# Altium PCB FerroAudioAmp.PcbDoc
Units mm, origin at the board's own origin, x right, y up, seen from the top; angles counter-clockwise.
Board outline 95 x 71 mm, 2 copper layers (Top Layer, Bottom Layer); 92 components, 73 nets, 261 pads, 249 vias.
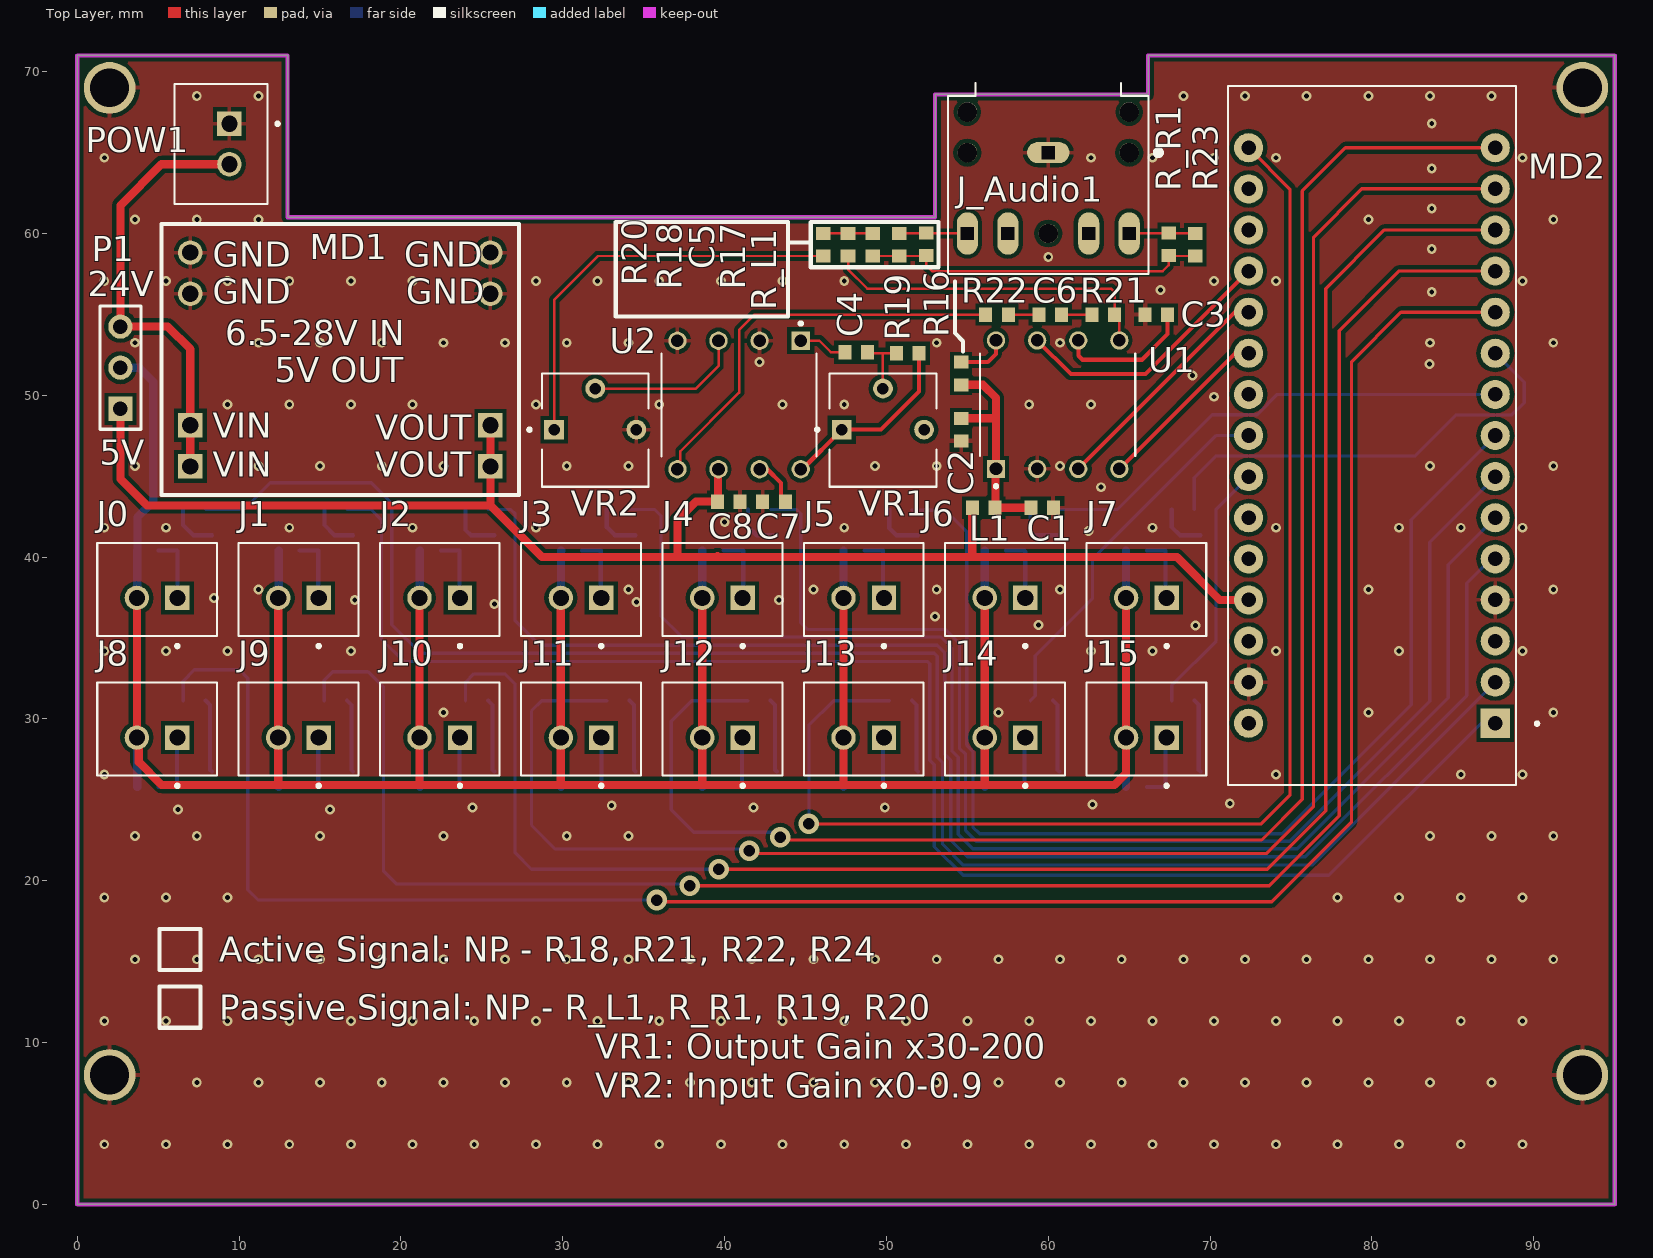
[diagram p0: Top Layer view]
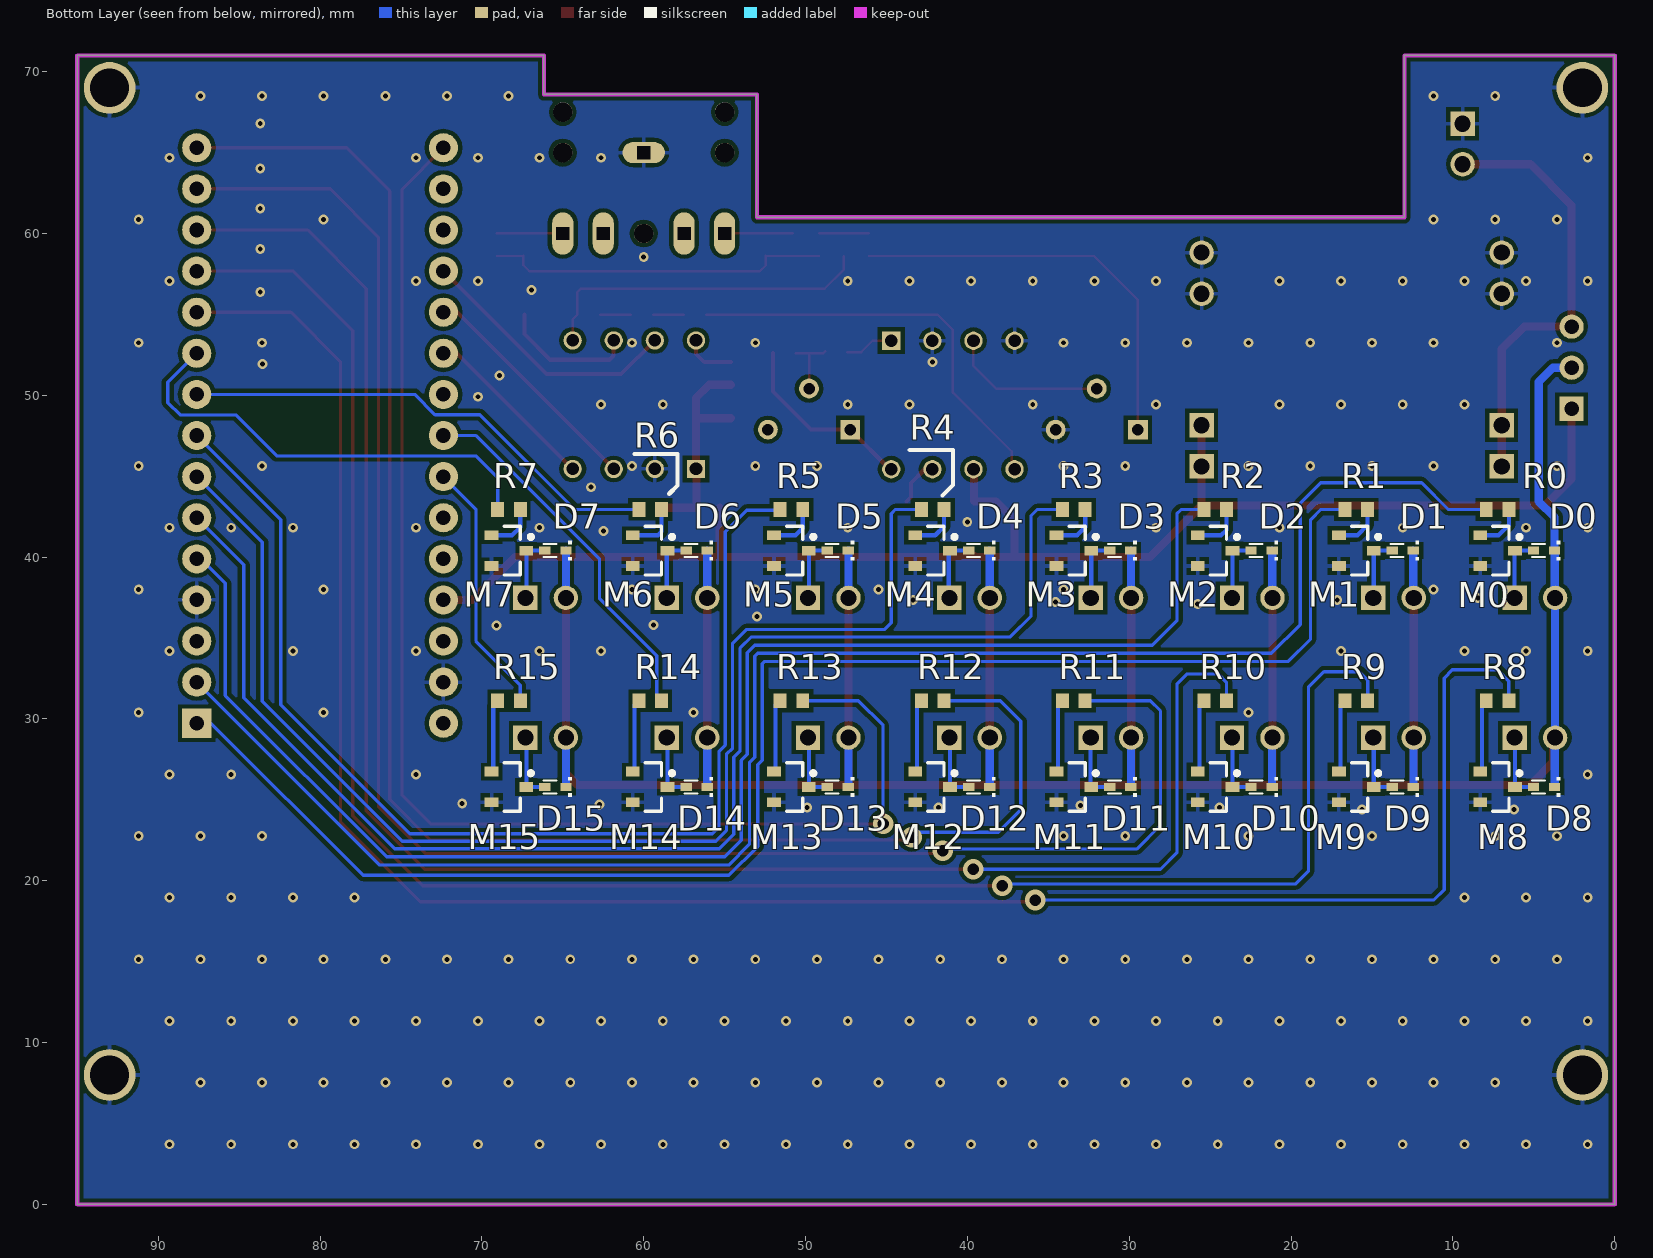
[diagram p1: Bottom Layer view, seen from below]

## Layer stack, top to bottom
Top Solder: solder mask 0.0102, Solder Resist, Dk 3.5
Top Layer: signal copper 0.0356
Dielectric 1: dielectric 0.32, FR-4, Dk 4.8
Bottom Layer: signal copper 0.0356
Bottom Solder: solder mask 0.0102, Solder Resist, Dk 3.5

## Board outline
0,0 0,71 13,71 13,61 53,61 53,68.598 66.167,68.598 66.167,71 95,71 95,0

## Design rules (kind name [scope] priority, off if disabled: settings)
Clearance [All] p1: gap=0.254 ignorepadtopadclearanceinfootprint=TRUE except(0: Arc-Hole Track-Hole SMDPad-Hole THPad-Hole Via-Hole Fill-Hole Poly-Hole Region-Hole Text-Hole)
MinimumSolderMaskSliver [All] p1: minsoldermaskwidth=0.152
PolygonConnect PolygonConnect_1 [IsVia] p1: connectstyle=Direct reliefconductorwidth=0.254 reliefentries=4 polygonreliefangle="90 Angle" airgapwidth=0.254
PolygonConnect [All] p2: connectstyle=Relief reliefconductorwidth=0.254 reliefentries=4 polygonreliefangle="90 Angle" airgapwidth=0.254
RoutingVias [All] p1: holewidth=0.711 width=1.27 viastyle="Through Hole" minholewidth=0.711 minwidth=1.27 maxholewidth=0.711 maxwidth=1.27
SilkToSilkClearance [All] p1: silktosilkclearance=0.013
SilkToSolderMaskClearance [IsPad] p1: minsilkscreentomaskgap=0.025 clearancetoexposedcopper=TRUE
SolderMaskExpansion [All] p1: expansion=0.102
Width [All] p1: maxlimit=0.508 minlimit=0.152 preferedwidth=0.254
27 further rules are at their usual default settings.

## Classes and differential pairs
component class AnalogSignal: C1 C2 C3 C4 C5 C6 C7 C8 J_Audio1 L1 R16 R17 R19 R21 R22 R23 R_L1 R_R1 U1 U2 VR1 VR2
component class FerroAudioAmp: D0 D1 D2 D4 D6 D7 D9 D10 D13 D14 J0 J2 J3 J5 J6 J8 J10 J11 J13 J14 M0 M1 M2 M4 M6 M7 M9 M10 M12 M14 M15 MD1 MD2 P1 POW1 R0 R1 R3 R4 R6 R8 R9 R11 R12 R14

## Components (designator, comment, footprint, x,y, rotation, side; value= is the part's Value field where it differs from the comment)
C1 "100nF" 0603 59.618,43.053 r0 top
C2 "33pF" 0603 54.61,47.879 r270 top
C3 "100nF" 0603 66.675,54.991 r0 top
C4 "10uF" 0603 48.133,52.661 r0 top
C5 "10nF" 0603 49.149,59.309 r90 top
C6 "10nF" 0603 60.112,54.991 r0 top
C7 "10uF" 0603 43.053,43.434 r0 top
C8 "100nF" 0603 40.259,43.434 r180 top
D0 "RB521S30T1G" SOD523 4.318,40.404 r0 bottom
D1 "RB521S30T1G" SOD523 13.045,40.404 r0 bottom
D2 "RB521S30T1G" SOD523 21.771,40.404 r0 bottom
D3 "RB521S30T1G" SOD523 30.498,40.404 r0 bottom
D4 "RB521S30T1G" SOD523 39.225,40.404 r0 bottom
D5 "RB521S30T1G" SOD523 47.952,40.404 r0 bottom
D6 "RB521S30T1G" SOD523 56.678,40.404 r0 bottom
D7 "RB521S30T1G" SOD523 65.405,40.404 r0 bottom
D8 "RB521S30T1G" SOD523 4.318,25.799 r0 bottom
D9 "RB521S30T1G" SOD523 13.045,25.799 r0 bottom
D10 "RB521S30T1G" SOD523 21.771,25.799 r0 bottom
D11 "RB521S30T1G" SOD523 30.498,25.799 r0 bottom
D12 "RB521S30T1G" SOD523 39.225,25.799 r0 bottom
D13 "RB521S30T1G" SOD523 47.952,25.799 r0 bottom
D14 "RB521S30T1G" SOD523 56.678,25.799 r0 bottom
D15 "RB521S30T1G" SOD523 65.405,25.799 r0 bottom
J0 "B2B-XH-A(LF)(SN)" JST_B2B-XH-A(LF)(SN) 4.933,37.483 r0 top
J1 "B2B-XH-A(LF)(SN)" JST_B2B-XH-A(LF)(SN) 13.665,37.483 r0 top
J2 "B2B-XH-A(LF)(SN)" JST_B2B-XH-A(LF)(SN) 22.398,37.483 r0 top
J3 "B2B-XH-A(LF)(SN)" JST_B2B-XH-A(LF)(SN) 31.13,37.483 r0 top
J4 "B2B-XH-A(LF)(SN)" JST_B2B-XH-A(LF)(SN) 39.863,37.483 r0 top
J5 "B2B-XH-A(LF)(SN)" JST_B2B-XH-A(LF)(SN) 48.595,37.483 r0 top
J6 "B2B-XH-A(LF)(SN)" JST_B2B-XH-A(LF)(SN) 57.328,37.483 r0 top
J7 "B2B-XH-A(LF)(SN)" JST_B2B-XH-A(LF)(SN) 66.06,37.483 r0 top
J8 "B2B-XH-A(LF)(SN)" JST_B2B-XH-A(LF)(SN) 4.933,28.847 r0 top
J9 "B2B-XH-A(LF)(SN)" JST_B2B-XH-A(LF)(SN) 13.665,28.847 r0 top
J10 "B2B-XH-A(LF)(SN)" JST_B2B-XH-A(LF)(SN) 22.398,28.847 r0 top
J11 "B2B-XH-A(LF)(SN)" JST_B2B-XH-A(LF)(SN) 31.13,28.847 r0 top
J12 "B2B-XH-A(LF)(SN)" JST_B2B-XH-A(LF)(SN) 39.863,28.847 r0 top
J13 "B2B-XH-A(LF)(SN)" JST_B2B-XH-A(LF)(SN) 48.595,28.847 r0 top
J14 "B2B-XH-A(LF)(SN)" JST_B2B-XH-A(LF)(SN) 57.328,28.847 r0 top
J15 "B2B-XH-A(LF)(SN)" JST_B2B-XH-A(LF)(SN) 66.06,28.847 r0 top
J_Audio1 "SJ1-3525N" CUI_SJ1-3525N 60,65 r270 top locked
L1 "=value" 0603 56.007,43.053 r0 top
M0 "DMN2056U-7" SOT23_L 7.239,40.404 r180 bottom
M1 "DMN2056U-7" SOT23_L 15.966,40.404 r180 bottom
M2 "DMN2056U-7" SOT23_L 24.692,40.404 r180 bottom
M3 "DMN2056U-7" SOT23_L 33.419,40.404 r180 bottom
M4 "DMN2056U-7" SOT23_L 42.146,40.404 r180 bottom
M5 "DMN2056U-7" SOT23_L 50.873,40.404 r180 bottom
M6 "DMN2056U-7" SOT23_L 59.599,40.404 r180 bottom
M7 "DMN2056U-7" SOT23_L 68.326,40.404 r180 bottom
M8 "DMN2056U-7" SOT23_L 7.239,25.799 r180 bottom
M9 "DMN2056U-7" SOT23_L 15.966,25.799 r180 bottom
M10 "DMN2056U-7" SOT23_L 24.692,25.799 r180 bottom
M11 "DMN2056U-7" SOT23_L 33.419,25.799 r180 bottom
M12 "DMN2056U-7" SOT23_L 42.146,25.799 r180 bottom
M13 "DMN2056U-7" SOT23_L 50.873,25.799 r180 bottom
M14 "DMN2056U-7" SOT23_L 59.599,25.799 r180 bottom
M15 "DMN2056U-7" SOT23_L 68.326,25.799 r180 bottom
MD1 "MP1584EN_5V" MP1584EN_5V 16.256,52.215 r0 top
MD2 "ARDUINO_NANO" SHIELD_ARDUINO_NANO 80,47.516 r180 top locked
P1 "JUMPER 3" HDR1X3 2.667,49.167 r90 top
POW1 "B2B-XH-A(LF)(SN)" JST_B2B-XH-A(LF)(SN) 9.398,65.53 r90 top
R0 "1K" 0603 7.239,42.944 r0 bottom
R1 "1K" 0603 15.966,42.944 r0 bottom
R2 "1K" 0603 24.692,42.944 r0 bottom
R3 "1K" 0603 33.419,42.944 r0 bottom
R4 "1K" 0603 42.146,42.944 r0 bottom
R5 "1K" 0603 50.873,42.944 r0 bottom
R6 "1K" 0603 59.599,42.944 r0 bottom
R7 "1K" 0603 68.326,42.944 r0 bottom
R8 "1K" 0603 7.239,31.133 r180 bottom
R9 "1K" 0603 15.966,31.133 r180 bottom
R10 "1K" 0603 24.692,31.133 r180 bottom
R11 "1K" 0603 33.419,31.133 r180 bottom
R12 "1K" 0603 42.146,31.133 r180 bottom
R13 "1K" 0603 50.873,31.133 r180 bottom
R14 "1K" 0603 59.599,31.133 r180 bottom
R15 "1K" 0603 68.326,31.133 r180 bottom
R16 "2M" 0603 54.61,51.349 r270 top
R17 "1.2K" 0603 50.8,59.309 r90 top
R18 "0" 0603 47.625,59.309 r90 top
R19 "1.2K" 0603 51.308,52.604 r180 top
R20 "0" 0603 46.101,59.309 r90 top
R21 "0" 0603 63.394,54.991 r180 top
R22 "22K" 0603 56.831,54.991 r180 top
R23 "1.2K" 0603 69.088,59.309 r90 top
R_L1 "22K" 0603 52.451,59.327 r90 top
R_R1 "22K" 0603 67.437,59.327 r90 top
U1 "MSGEQ7" MSGEQ7 60.579,49.421 r90 top
U2 "LM386" MSGEQ7 40.894,49.403 r270 top
VR1 "2K" TRIM_3362P 49.784,47.879 r0 top
VR2 "10K" TRIM_3362P 32.004,47.879 r0 top

## Footprints (in the part's own frame and the unit in brackets; to place one, negate y for a bottom-side part, rotate by r counter-clockwise, add the part's x,y. Pads: shape width x height; smd on the part's side, far side on the other; paste and mask are expansions set on the pad)
0603 [mm] "Body 1.6x0.8mm"
  rect 0.8x0.9 smd: 1(-0.7,0) 2(0.7,0)
  body extent -0.8,-0.38 0.8,0.37, height 0.78
CUI_SJ1-3525N [mm]
  oval 1.308x2.616 hole 0.8 square: 1(0,0)
  oval 2.616x1.308 hole 0.8 square: 2(5,-5) 3(5,5) 10(5,-2.5) 11(5,2.5)
  round 1.2 hole 1.2 unplated: ""(-2.5,5) ""(-2.5,-5) ""(0,5) ""(0,-5) ""(5,0)
  silkscreen extent -4.3,-6.2 7.5,6.97, body extent -6.5,-6 7.5,6, height 5.5
HDR1X3 [mm] "Connector; Header; 3 Position"
  rect 1.5x1.5 hole 0.9: 1(0,0)
  round 1.5 hole 0.9: 2(2.54,0) 3(5.08,0)
  silkscreen extent -1.27,-1.27 6.35,1.27
JST_B2B-XH-A(LF)(SN) [mm]
  rect 1.508x1.508 hole 1: 1(1.25,0)
  round 1.508 hole 1: 2(-1.25,0)
  silkscreen extent -3.7,-3.07 3.7,3.4, body extent -3.7,-2.35 3.7,3.4, height 7
MP1584EN_5V [mil] "MP1584EN_5V"
  round 59.37 hole 39.37: 1(-365,260) 2(-365,160) 7(365,260) 8(365,160)
  rect 59.37x59.37 hole 39.37: 3(-365,-160) 4(-365,-260) 5(365,-260) 6(365,-160)
  silkscreen extent -435,-330 435,330, body extent -436,-336 430,333, height 268
MSGEQ7 [mm] "Seven Band Graphic Equalizer"
  rect 1.13x1.13 hole 0.78: 1(-3.97,3.81)
  round 1.13 hole 0.78: 2(-3.97,1.27) 3(-3.97,-1.27) 4(-3.97,-3.81) 5(3.97,-3.81) 6(3.97,-1.27) 7(3.97,1.27) 8(3.97,3.81)
  silkscreen extent -5.13,-4.79 3.18,4.79, body extent -3.94,-4.79 3.94,4.79, height 5.08
SHIELD_ARDUINO_NANO [mm]
  rect 1.8x1.8 hole 0.9: 1(-7.62,17.78)
  round 1.8 hole 0.9: 2(-7.62,15.24) 3(-7.62,12.7) 4(-7.62,10.16) 5(-7.62,7.62) 6(-7.62,5.08) 7(-7.62,2.54) 8(-7.62,0) 9(-7.62,-2.54) 10(-7.62,-5.08) 11(-7.62,-7.62) 12(-7.62,-10.16) 13(-7.62,-12.7) 14(-7.62,-15.24) 15(-7.62,-17.78) 16(7.62,-17.78) 17(7.62,-15.24) 18(7.62,-12.7) 19(7.62,-10.16) 20(7.62,-7.62) 21(7.62,-5.08) 22(7.62,-2.54) 23(7.62,0) 24(7.62,2.54) 25(7.62,5.08) 26(7.62,7.62) 27(7.62,10.16) 28(7.62,12.7) 29(7.62,15.24) 30(7.62,17.78)
  silkscreen extent -10.3,-21.59 8.89,21.59, body extent -9,-23.4 9,21.6, height 12.6
SOD523 [mm]
  rect 0.7x0.5 smd: A(0.7,0) C(-0.6,0)
  silkscreen extent -0.95,-0.6 0.8,0.6, body extent -0.8,-0.4 0.8,0.4, height 0.7
SOT23_L [mm] "SOT23, 3-Leads, Body 2.9x1.3mm, Pitch 0.95mm, Lead Span 2.3mm - Reverse Pinning, IPC High Density"
  rect 0.85x0.6 smd: 1(1.075,0) 2(-1.075,-0.95) 3(-1.075,0.95)
  silkscreen extent -0.3,-1.5 1.47,1.5, body extent -0.7,-1.5 0.7,1.5, height 1.1
TRIM_3362P [mm]
  rect 1.222x1.222 hole 0.714: 1(-2.54,0)
  round 1.222 hole 0.714: 2(0,2.54) 3(2.54,0)
  silkscreen extent -4.16,-3.53 3.3,3.47, body extent -3.3,-3.49 3.3,3.5, height 4.88

## Part data
C1 C2 C3 C4 C5 C6 C7 C8: library part Cap
D0 D1 D2 D3 D4 D5 D6 D7 D8 D9 D10 D11 D12 D13 D14 D15: library part "Diode Schottky", "Diode Schottky 30V 200mA (DC) Surface Mount SOD-523"
J0 J1 J2 J3 J4 J5 J6 J7 J8 J9 J10 J11 J12 J13 J14 J15 POW1: "Connector Header Through Hole 2 position 0.098 (2.50mm)", Package=None, Availability="In Stock", Check_prices=https://www.snapeda.com/parts/B2B-XH-A(LF)(SN)/JST%20Sales%20America%20Inc./view-part/492310/?ref=eda, MF="JST Sales", MP=B2B-XH-A(LF)(SN), Price=None, SnapEDA_Link=https://www.snapeda.com/parts/B2B-XH-A(LF)(SN)/JST%20Sales%20America%20Inc./view-part/492310/?ref=snap
J_Audio1: "3.5 mm, Stereo, Right Angle, Through Hole, Audio Jack Connector", Package=None, Availability=Unavailable, CUI_purchase_URL=https://www.cuidevices.com/product/interconnect/connectors/audio-connectors/jacks/sj1-352xn-series?utm_source=snapeda.com&utm_medium=referral&utm_campaign=snapedaBOM, MF="CUI Devices", MP=SJ1-3525N, Price=None, SnapEDA_Link=https://www.snapeda.com/parts/SJ1-3525N/CUI%20Devices/view-part/231506/?ref=snap
L1: library part Ind
M0 M1 M2 M3 M4 M5 M6 M7 M8 M9 M10 M11 M12 M13 M14 M15: library part MOSFET-N, "N-Channel 20V 4A (Ta) 940mW Surface Mount SOT-23-3"
MD1: "DC-DC 6.5-28V in 5V out module"
MD2: "ATSAMD21G18A Arduino Nano 33 IoT SAM D ARM?? Cortex??-M0+ MCU 32-Bit Embedded Evaluation Board", Package=None, Availability=Unavailable, MF=Arduino, MP="ARDUINO NANO", Price=None, SnapEDA_Link=https://www.snapeda.com/parts/ARDUINO%20NANO/Arduino/view-part/1128261/?ref=snap
P1: library part "Header 3", "Header, 3-Pin", LatestRevisionDate=17-Jul-2002, LatestRevisionNote="Re-released for DXP Platform.", Publisher="Altium Limited"
R0 R1 R2 R3 R4 R5 R6 R7 R8 R9 R10 R11 R12 R13 R14 R15 R16 R17 R18 R19 R20 R21 R22 R23 R_L1 R_R1: library part Res
U1: "Seven Band Graphic Equalizer"
U2: "Low Voltage Audio Power Amplifier"
VR1 VR2: library part 3362P, "PC Pins Through Hole Trimmer Potentiometer Cermet 1 Turn Top Adjustment", Package="3116 Bourns", Check_prices=https://www.snapeda.com/parts/3362P-1-103LF/Bourns/view-part/13764/?ref=eda, Digi-Key_Part_Number=3362P-103LF-ND, MF=Bourns, MP=3362P-1-103LF, Purchase-URL=https://pricing.snapeda.com/search/part/3362P-1-103LF/?ref=eda, SnapEDA_Link=https://www.snapeda.com/parts/3362P-1-103LF/Bourns/view-part/13764/?ref=snap

## Free pads (board coordinates)
  round 3.2 hole 2.4: 0(2,8) 0(2,69) 0(93,8) 0(93,69)

## Via types
v1: diameter 0.61, hole 0.305, Top Layer to Bottom Layer, tented both sides, 243 vias
v2: diameter 1.27, hole 0.711, Top Layer to Bottom Layer, tented both sides, 6 vias

## Nets (pads, with @x,y where several pads share a name; then routed paths per layer and width w, separated by ;. In a path a pad name is that pad's centre, name@x,y a point inside that pad or via, vN(x,y) a via of type N, cw(c..) or ccw(c..) an arc to the next point about the centre after c; other vN are vias at no path point)
+5: C8.2 L1.1 MD1.5 MD1.6 MD2.27 P1.1 U2.6 | length 92.5
  Top Layer w0.508: P1.1 2.667,44.831 4.3,43.198 25.527,43.198 ; MD1.6 MD1.5 25.527,43.198 ; 39.559,40.07 39.624,40.005 ; U2.6 39.592,45.401 39.592,43.466 C8.2 38.227,43.434 37.084,42.291 37.084,40.005 ; L1.1 55.307,40.067 55.245,40.005 ; MD2.27 70.594,37.356 67.945,40.005 55.245,40.005 ; 25.527,43.198 28.72,40.005 37.084,40.005 ; 37.084,40.005 39.624,40.005 ; 39.624,40.005 55.245,40.005
GND: C1.2 C2.2 C3.1 C7.1 C8.1 J_Audio1.1 M0.2 M1.2 M2.2 M3.2 M4.2 M5.2 M6.2 M7.2 M8.2 M9.2 M10.2 M11.2 M12.2 M13.2 M14.2 M15.2 MD1.1 MD1.2 MD1.7 MD1.8 MD2.4 MD2.29 pad.0 POW1.1 U1.2 U2.2 U2.4 VR2.3
  other v1: 1.67,3.72 5.48,3.72 9.29,3.72 13.1,3.72 16.91,3.72 20.72,3.72 24.53,3.72 28.34,3.72 32.15,3.72 35.96,3.72 39.77,3.72 43.58,3.72 47.39,3.72 51.2,3.72 55.01,3.72 58.82,3.72 62.63,3.72 66.44,3.72 70.25,3.72 74.06,3.72 77.87,3.72 81.68,3.72 85.49,3.72 89.3,3.72 7.385,7.53 11.195,7.53 15.005,7.53 18.815,7.53 22.625,7.53 26.435,7.53 30.245,7.53 34.055,7.53 37.865,7.53 41.675,7.53 45.485,7.53 49.295,7.53 53.105,7.53 56.915,7.53 60.725,7.53 64.535,7.53 68.345,7.53 72.155,7.53 75.965,7.53 79.775,7.53 83.585,7.53 87.395,7.53 1.67,11.34 5.48,11.34 9.29,11.34 13.1,11.34 16.91,11.34 20.72,11.34 24.53,11.34 28.34,11.34 32.15,11.34 35.96,11.34 39.77,11.34 43.58,11.34 47.39,11.34 51.2,11.34 55.01,11.34 58.82,11.34 62.63,11.34 66.44,11.34 70.25,11.34 74.06,11.34 77.87,11.34 81.68,11.34 85.49,11.34 89.3,11.34 3.575,15.15 7.385,15.15 11.195,15.15 15.005,15.15 18.815,15.15 22.625,15.15 26.435,15.15 30.245,15.15 34.055,15.15 37.865,15.15 41.675,15.15 45.485,15.15 49.295,15.15 53.105,15.15 56.915,15.15 60.725,15.15 64.535,15.15 68.345,15.15 72.155,15.15 75.965,15.15 79.775,15.15 83.585,15.15 87.395,15.15 91.205,15.15 1.67,18.96 5.48,18.96 9.29,18.96 77.87,18.96 81.68,18.96 85.49,18.96 89.3,18.96 3.575,22.77 7.385,22.77 15.005,22.77 22.625,22.77 30.245,22.77 34.055,22.77 83.585,22.77 87.395,22.77 91.205,22.77 6.223,24.402 15.621,24.402 24.42,24.529 41.796,24.529 49.898,24.529 33.023,24.656 62.738,24.722 71.216,24.783 1.67,26.58 74.06,26.58 85.49,26.58 89.3,26.58 22.625,30.39 56.915,30.39 79.775,30.39 91.205,30.39 1.67,34.2 5.48,34.2 9.29,34.2 16.91,34.2 62.63,34.2 66.44,34.2 74.06,34.2 81.68,34.2 89.3,34.2 69.088,35.784 59.391,35.814 53,36.322 25.767,37.102 34.544,37.22 17.145,37.356 43.362,37.356 8.441,37.483 11.195,38.01 34.055,38.01 45.485,38.01 53.105,38.01 60.725,38.01 79.775,38.01 91.205,38.01 62.482,41.62 1.67,41.82 5.48,41.82 13.1,41.82 20.72,41.82 28.34,41.82 47.39,41.82 66.44,41.82 74.06,41.82 81.68,41.82 85.49,41.82 89.3,41.82 40.005,42.164 63.246,44.323 3.575,45.63 11.195,45.63 15.005,45.63 18.815,45.63 22.625,45.63 30.245,45.63 34.055,45.63 49.295,45.63 53.105,45.63 60.725,45.63 83.585,45.63 91.205,45.63 9.29,49.44 13.1,49.44 16.91,49.44 20.72,49.44 28.34,49.44 35.96,49.44 43.58,49.44 47.39,49.44 58.82,49.44 62.63,49.44 70.25,49.911 68.911,51.22 83.566,51.943 42.164,52.049 3.575,53.25 11.195,53.25 15.005,53.25 18.815,53.25 22.625,53.25 26.435,53.25 30.245,53.25 34.055,53.25 53.105,53.25 60.725,53.25 83.585,53.25 91.205,53.25 83.693,56.388 66.929,56.515 1.67,57.06 5.48,57.06 9.29,57.06 13.1,57.06 16.91,57.06 20.72,57.06 28.34,57.06 32.15,57.06 35.96,57.06 39.77,57.06 43.58,57.06 47.39,57.06 70.25,57.06 74.06,57.06 89.3,57.06 60,58.547 83.693,59.052 3.575,60.87 7.385,60.87 11.195,60.87 79.775,60.87 91.205,60.87 83.693,61.539 83.693,64.008 1.67,64.68 62.63,64.68 66.44,64.68 70.25,64.68 74.06,64.68 89.3,64.68 83.693,66.802 7.385,68.49 11.195,68.49 68.345,68.49 72.155,68.49 75.965,68.49 79.775,68.49 83.585,68.49 87.395,68.49
GPIA_MIX: MD2.20 U1.3 | length 14.5
  Top Layer w0.254: U1.3 71.534,55.136 MD2.20
GPO_D0: MD2.2 R0.2 | length 105.8
  Bottom Layer w0.203: R0.2 10.287,42.944 11.938,44.595 18.161,44.595 19.431,43.325 19.431,35.832 21.209,34.054 52.959,34.054 53.139,33.874 53.139,27.63 53.467,27.302 53.467,22.255 54.749,20.973 76.317,20.973 MD2.2
GPO_D1: MD2.1 R1.2 | length 95
  Bottom Layer w0.203: R1.2 18.161,42.944 18.796,42.309 18.796,34.943 20.193,33.546 52.563,33.546 52.682,33.427 52.682,27.441 52.959,27.163 52.959,22.116 54.737,20.338 77.343,20.338 86.741,29.736 MD2.1
GPO_D2: MD2.5 R2.2 | length 93.3
  Bottom Layer w0.203: R2.2 26.797,42.944 27.051,42.69 27.051,36.078 28.567,34.562 53.133,34.562 53.596,34.099 53.596,27.819 53.975,27.441 53.975,22.497 54.991,21.481 75.884,21.481 85.852,31.449 85.852,38.383 87.365,39.896 MD2.5
GPO_D3: MD2.6 R3.2 | length 85.6
  Bottom Layer w0.203: R3.2 35.687,42.944 36.068,42.563 36.068,36.34 37.338,35.07 53.34,35.07 54.054,34.356 54.054,28.009 54.432,27.63 54.432,22.878 55.321,21.989 75.385,21.989 84.709,31.313 84.709,39.525 MD2.6
GPO_D4: MD2.7 R4.2 | length 78.9
  Bottom Layer w0.203: R4.2 44.45,42.944 44.704,42.69 44.704,35.951 45.128,35.527 53.656,35.527 54.511,34.673 54.511,28.198 54.889,27.819 54.889,23.107 55.55,22.446 74.922,22.446 83.566,31.09 83.566,40.922 MD2.7
GPO_D5: MD2.8 R5.2 | length 71.7
  Bottom Layer w0.203: R5.2 51.573,42.894 53.644,42.894 54.968,41.57 54.968,28.387 55.347,28.009 55.347,23.31 55.753,22.903 74.445,22.903 82.423,30.882 82.423,42.319 MD2.8
GPO_D6: MD2.9 R6.2 | length 30.3
  Bottom Layer w0.203: R6.2 64.262,42.944 70.118,48.8 72.9,48.8 74.156,50.056 MD2.9
GPO_D7: MD2.10 R7.2 | length 28.1
  Bottom Layer w0.203: R7.2 69.026,44.914 70.365,46.253 82.684,46.253 85.217,48.786 88.646,48.786 89.408,49.548 89.408,50.808 MD2.10
GPO_D8: MD2.11 R8.2 | length 127.9
  Top Layer w0.203: v2(35.814,18.814) 35.916,18.712 73.812,18.712 78.74,23.64 78.74,52.088 81.788,55.136 MD2.11
  Bottom Layer w0.203: R8.2 6.539,32.338 7.239,33.038 10.033,33.038 10.541,32.53 10.541,19.449 11.176,18.814 v2(35.814,18.814)
GPO_D9: MD2.12 R9.2 | length 119.2
  Top Layer w0.203: v2(37.846,19.703) 73.66,19.703 77.978,24.021 77.978,53.993 81.661,57.676 MD2.12
  Bottom Layer w0.203: R9.2 15.266,32.403 15.774,32.911 17.969,32.911 18.923,31.957 18.923,20.592 19.71,19.805 37.744,19.805 v2(37.846,19.703)
GPO_D10: MD2.13 R10.2 | length 111.3
  Top Layer w0.203: v2(39.624,20.719) 73.533,20.719 77.15,24.336 77.15,56.594 80.772,60.216 MD2.13
  Bottom Layer w0.203: R10.2 23.992,32.265 24.511,32.784 26.416,32.784 27.051,32.149 27.051,21.735 28.067,20.719 v2(39.624,20.719)
GPO_D11: MD2.14 R11.2 | length 109.9
  Top Layer w0.203: v2(41.529,21.862) 41.699,21.692 73.49,21.692 76.391,24.593 76.391,59.772 79.375,62.756 MD2.14
  Bottom Layer w0.203: R11.2 28.702,31.133 28.067,30.498 28.067,23.445 29.548,21.964 41.427,21.964 v2(41.529,21.862)
GPO_D12: MD2.15 R12.2 | length 102.2
  Top Layer w0.203: v2(43.434,22.683) 43.594,22.522 73.177,22.522 75.692,25.037 75.692,62.629 78.359,65.296 MD2.15
  Bottom Layer w0.203: R12.2 37.973,31.133 36.703,29.863 36.703,24.402 38.1,23.005 43.112,23.005 v2(43.434,22.683)
GPO_D13: MD2.16 R13.2 | length 83.2
  Top Layer w0.203: v2(45.212,23.513) 73.152,23.513 74.93,25.291 74.93,62.746 MD2.16
  Bottom Layer w0.203: v2(45.212,23.513) 45.212,29.609 46.736,31.133 R13.2
GPO_D17: MD2.22
GPO_D18: MD2.23 R14.2 | length 23.2
  Bottom Layer w0.203: R14.2 59.198,31.431 59.198,33.919 62.738,37.459 62.738,39.896 70.358,47.516 MD2.23
GPO_D19: MD2.24 R15.2 | length 15.8
  Bottom Layer w0.203: R15.2 67.626,32.077 70.365,34.816 70.365,42.961 MD2.24
GPO_EQ7_RST: MD2.19 U1.7 | length 16.6
  Top Layer w0.254: U1.7 61.392,51.308 66.012,51.308 MD2.19
GPO_STROBE: MD2.21 U1.4 | length 11
  Top Layer w0.254: U1.4 71.534,52.596 MD2.21
LEFT: J_Audio1.2 R17.2 R_L1.2 | length 4.2
  Top Layer w0.152: R17.2 50.818,60.027 R_L1.2 52.478,60 J_Audio1.2
NetC3_2: C3.2 U1.6 | length 8.5
  Top Layer w0.254: U1.6@61.914,53.456 U1.6 61.855,53.385 61.855,52.445 62.103,52.197 65.786,52.197 67.375,53.786 C3.2
NetC4_1: C4.1 U2.1 | length 3
  Top Layer w0.152: U2.1 44.716,53.385 45.847,53.385 46.571,52.661 C4.1
NetC4_2: C4.2 R19.2 VR1.2 | length 4.1
  Top Layer w0.152: C4.2@48.768,52.726 C4.2 48.89,52.604 49.749,52.604 ; VR1.2 49.784,52.569 49.749,52.604 ; R19.2 49.749,52.604
NetC5_1: C5.1 R17.1 R23.1 R_L1.1 R_R1.1 | length 21.4
  Top Layer w0.152: C5.1 R17.1 52.433,58.609 R_L1.1 52.451,58.039 52.814,57.676 67.074,57.676 67.437,58.039 R_R1.1 67.455,58.609 R23.1
NetC5_2: C5.2 R18.2 R20.2 | length 3
  Top Layer w0.152: R20.2 R18.2 C5.2
NetC6_1: C6.1 R22.1 | length 1.9
  Top Layer w0.152: R22.1 C6.1
NetC6_2: C6.2 R21.2 | length 1.9
  Top Layer w0.152: C6.2 R21.2
NetC7_2: C7.2 U2.7 | length 2.9
  Top Layer w0.254: U2.7 42.633,45.433 43.48,44.586 43.48,43.707 C7.2
NetD0_A: D0.A J0.1 M0.1 | length 4.1
  Bottom Layer w0.254: D0.A M0.1 6.183,40.385 J0.1
NetD1_A: D1.A J1.1 M1.1 | length 4.1
  Bottom Layer w0.254: D1.A M1.1 14.891,37.508 J1.1
NetD2_A: D2.A J2.1 M2.1 | length 4.1
  Bottom Layer w0.254: D2.A M2.1 23.617,37.513 J2.1
NetD3_A: D3.A J3.1 M3.1 | length 4.1
  Bottom Layer w0.254: D3.A M3.1 32.344,37.519 J3.1
NetD4_A: D4.A J4.1 M4.1 | length 4.2
  Bottom Layer w0.254: D4.A M4.1 41.067,40.4 41.148,40.4 41.148,37.518 J4.1
NetD5_A: D5.A J5.1 M5.1 | length 4.1
  Bottom Layer w0.254: D5.A M5.1 49.798,37.531 J5.1
NetD6_A: D6.A J6.1 M6.1 | length 4.1
  Bottom Layer w0.254: D6.A M6.1 58.578,40.351 J6.1
NetD7_A: D7.A J7.1 M7.1 | length 4.1
  Bottom Layer w0.254: D7.A M7.1 67.251,37.542 J7.1
NetD8_A: D8.A J8.1 M8.1 | length 4.2
  Bottom Layer w0.254: D8.A M8.1 6.164,28.828 J8.1
NetD9_A: D9.A J9.1 M9.1 | length 4.2
  Bottom Layer w0.254: D9.A M9.1 14.891,28.822 J9.1
NetD10_A: D10.A J10.1 M10.1 | length 4.1
  Bottom Layer w0.254: D10.A 23.613,25.799 M10.1@23.617,25.803 ; M10.1 M10.1@23.617,25.803 ; J10.1@23.749,28.72 23.617,28.588 M10.1@23.617,25.803
NetD11_A: D11.A J11.1 M11.1 | length 4.2
  Bottom Layer w0.254: D11.A M11.1 32.38,25.835 J11.1
NetD12_A: D12.A J12.1 M12.1 | length 4.2
  Bottom Layer w0.254: D12.A M12.1 41.071,28.805 J12.1
NetD13_A: D13.A J13.1 M13.1 | length 4.2
  Bottom Layer w0.254: D13.A M13.1 49.798,28.799 J13.1
NetD14_A: D14.A J14.1 M14.1 | length 4.2
  Bottom Layer w0.254: D14.A M14.1 58.524,28.794 J14.1
NetD15_A: D15.A J15.1 M15.1 | length 4.2
  Bottom Layer w0.254: D15.A M15.1 67.251,28.788 J15.1
NetM0_3: M0.3 R0.1 | length 3
  Bottom Layer w0.254: R0.1 6.539,41.993 7.178,41.354 M0.3
NetM1_3: M1.3 R1.1 | length 3
  Bottom Layer w0.254: R1.1 15.266,41.993 15.905,41.354 M1.3
NetM2_3: M2.3 R2.1 | length 3.2
  Bottom Layer w0.254: R2.1 23.992,41.685 24.323,41.354 M2.3
NetM3_3: M3.3 R3.1 | length 3.1
  Bottom Layer w0.254: R3.1 32.719,41.848 33.213,41.354 M3.3
NetM4_3: M4.3 R4.1 | length 3
  Bottom Layer w0.254: R4.1 41.446,41.895 41.987,41.354 M4.3
NetM5_3: M5.3 R5.1 | length 3.1
  Bottom Layer w0.254: R5.1 50.173,41.793 50.612,41.354 M5.3
NetM6_3: M6.3 R6.1 | length 3.2
  Bottom Layer w0.254: R6.1 58.899,41.576 59.121,41.354 M6.3
NetM7_3: M7.3 R7.1 | length 3.1
  Bottom Layer w0.254: R7.1 67.626,41.866 68.138,41.354 M7.3
NetM8_3: M8.3 R8.1 | length 4.5
  Bottom Layer w0.254: R8.1 8.212,30.86 8.212,26.851 M8.3
NetM9_3: M9.3 R9.1 | length 4.5
  Bottom Layer w0.254: R9.1 16.939,30.86 16.939,26.851 M9.3
NetM10_3: M10.3 R10.1 | length 4.5
  Bottom Layer w0.254: R10.1 25.665,30.86 25.665,26.851 M10.3
NetM11_3: M11.3 R11.1 | length 4.5
  Bottom Layer w0.254: R11.1 34.392,30.86 34.392,26.851 M11.3
NetM12_3: M12.3 R12.1 | length 4.5
  Bottom Layer w0.254: R12.1 43.119,30.86 43.119,26.851 M12.3
NetM13_3: M13.3 R13.1 | length 4.5
  Bottom Layer w0.254: R13.1 51.846,30.86 51.846,26.851 M13.3
NetM14_3: M14.3 R14.1 | length 4.5
  Bottom Layer w0.254: R14.1 60.572,30.86 60.572,26.851 M14.3
NetM15_3: M15.3 R15.1 | length 4.5
  Bottom Layer w0.254: R15.1 69.299,30.86 69.299,26.851 M15.3
NetR16_1: R16.1 U1.8 | length 3.2
  Top Layer w0.254: R16.1 56.261,52.049 56.769,52.557 U1.8
NetR19_1: R19.1 U2.8 VR1.1 | length 11.7
  Top Layer w0.254: U2.8 44.798,45.433 VR1.1 49.657,47.879 52.008,50.23 R19.1
NetR20_1: R20.1 VR2.1 | length 25.8
  Top Layer w0.152: VR2.1 29.464,55.898 32.175,58.609 R20.1
NetR22_2: R22.2 U2.5 | length 25.8
  Top Layer w0.152: U2.5 37.271,45.62 37.271,46.542 40.894,50.165 40.894,54.037 41.848,54.991 R22.2
NetU2_3: U2.3 VR2.2 | length 9.8
  Top Layer w0.152: VR2.2 38.227,50.419 39.624,51.816 U2.3
OUT: R18.1 R21.1 U1.5 | length 21
  Top Layer w0.152: R18.1 47.625,57.785 48.816,56.594 63.881,56.594 64.094,56.381 R21.1 64.389,54.696 U1.5
RIGHT: J_Audio1.3 R23.2 R_R1.2 | length 4.1
  Top Layer w0.152: J_Audio1.3 67.41,60 R_R1.2 69.07,60.027 R23.2
VCC: D0.C D1.C D2.C D3.C D4.C D5.C D6.C D7.C D8.C D9.C D10.C D11.C D12.C D13.C D14.C D15.C J0.2 J1.2 J2.2 J3.2 J4.2 J5.2 J6.2 J7.2 J8.2 J9.2 J10.2 J11.2 J12.2 J13.2 J14.2 J15.2 P1.2 | length 222.1
  Top Layer w0.508: J0.2 J8.2 3.802,28.728 3.802,27.331 5.207,25.926 12.319,25.926 ; J1.2 J9.2 12.415,26.022 12.319,25.926 ; J2.2 J10.2 21.148,25.992 21.082,25.926 ; J3.2 J11.2 29.88,25.961 29.845,25.926 ; J4.2 J12.2 38.613,25.931 38.608,25.926 ; J5.2 J13.2 47.345,25.952 47.371,25.926 ; J6.2 J14.2 56.078,25.982 56.134,25.926 ; J7.2 J15.2 64.81,26.645 64.091,25.926 56.134,25.926 ; 12.319,25.926 21.082,25.926 ; 21.082,25.926 29.845,25.926 ; 29.845,25.926 38.608,25.926 ; 38.608,25.926 47.371,25.926 ; 47.371,25.926 56.134,25.926
  Bottom Layer w0.508: P1.2 3.81,51.707 4.699,50.818 4.699,43.452 3.718,42.471 D0.C 3.705,40.404 3.701,40.4 3.701,37.501 J0.2 J8.2 3.701,28.83 3.701,25.803 3.705,25.799 D8.C ; J9.2 12.43,28.832 12.43,25.803 12.434,25.799 D9.C ; J1.2 12.445,37.512 D1.C ; J10.2 21.171,28.823 D10.C ; J2.2 21.16,37.495 21.16,40.4 21.164,40.404 D2.C ; J11.2 29.889,28.838 29.889,25.803 29.893,25.799 D11.C ; J3.2 29.889,37.492 29.889,40.4 29.893,40.404 D3.C ; J12.2 38.619,28.841 38.619,25.803 38.623,25.799 D12.C ; J4.2 38.619,37.489 38.619,40.4 38.623,40.404 D4.C ; J13.2 47.348,28.844 47.348,25.802 D13.C ; J5.2 47.348,37.486 47.348,40.401 D5.C ; D14.C@56.078,25.799 J14.2@56.078,28.847 ; J6.2 D6.C@56.078,40.404 ; D15.C 64.807,25.802 64.807,28.844 J15.2 ; D7.C 64.807,40.401 64.807,37.486 J7.2
VCC_Q7: C1.1 C2.1 L1.2 R16.2 U1.1 | length 13.7
  Top Layer w0.508: C2.1 56.707,48.579 56.769,48.641 ; R16.2 55.969,50.649 56.769,49.849 56.769,48.641 ; C1.1 L1.2 56.738,43.084 56.738,45.42 U1.1 56.769,48.641
VIN: MD1.3 MD1.4 P1.3 POW1.2 | length 27.4
  Top Layer w0.508: MD1.4 MD1.3 6.985,52.85 5.588,54.247 P1.3 2.667,61.74 5.207,64.28 POW1.2
pads on no net: J_Audio1. J_Audio1.10 J_Audio1.11 MD2.3 MD2.17 MD2.18 MD2.25 MD2.26 MD2.28 MD2.30 VR1.3

## Polygon pours and split planes (outlines as drawn)
GND on Bottom Layer "Bottom Layer-GND" (solid, remove dead copper, pour order 6): 0,71 95,71 95,0 0,0
GND on Top Layer "Top Layer-GND" (solid, remove dead copper, pour order 4): 0,71 95,71 95,0 0,0

## Keep-outs
Keep-Out Layer:
  the board outline again, w0.254

## Other copper
Top Layer:
  pour cut-out: 66.167,70.884 66.167,68.725 53.213,68.725 52.959,68.471 52.959,61 13.105,61 12.973,61.132 12.973,71.011
Bottom Layer:
  pour cut-out: 12.954,71.011 66.283,71.011 66.294,71 66.167,70.873 66.167,68.725 53.34,68.725 53,68.385 53,60.978 13.051,60.978 12.924,60.851

## Silkscreen, mask and mechanical layers (free items; w line width, h text height)
Top Overlay:
  lines w0.254: 43.924,59.436 45.321,59.436 ; 54.229,57.023 54.229,53.848 54.737,53.34 54.737,52.705 ; 5.08,10.922 5.08,13.462 7.62,13.462 7.62,10.922 5.08,10.922 ; 5.08,14.478 5.08,17.018 7.62,17.018 7.62,14.478 5.08,14.478 ; 33.274,54.864 43.924,54.864 43.924,60.706 33.528,60.706 33.274,60.706 33.274,54.864 ; 45.321,57.912 45.321,60.688 45.339,60.706 53.213,60.706 53.213,57.912 45.321,57.912
  text "24V" at 0.635,56.134 h1.52
  text "5V" at 1.397,45.72 h1.52
  text "Active Signal: NP - R18, R21, R22, R24" at 8.763,14.986 h1.52
  text "Passive Signal: NP - R_L1, R_R1, R19, R20" at 8.763,11.43 h1.52
  text "VR1: Output Gain x30-200" at 32.004,9.017 h1.52
  text "VR2: Input Gain x0-0.9" at 32.004,6.604 h1.52
Bottom Overlay:
  lines w0.254: 41.529,43.815 40.894,44.45 40.894,46.609 43.561,46.609 ; 58.42,43.916 57.912,44.424 57.912,46.373 60.579,46.373

## Text inside footprints (layer, text, board x,y; h text height)
J_Audio1: Mechanical 13 "PCB edge" at 66.001,77.501 h1.02 r270
MD1: Top Overlay "VOUT" at 18.415,44.976 h1.52; Top Overlay "VOUT" at 18.415,47.262 h1.52; Top Overlay "VIN" at 8.382,44.976 h1.52; Top Overlay "VIN" at 8.382,47.389 h1.52; Top Overlay "GND" at 20.32,55.644 h1.52; Top Overlay "GND" at 20.193,57.93 h1.52; Top Overlay "GND" at 8.382,55.644 h1.52; Top Overlay "GND" at 8.382,57.93 h1.52; Top Overlay "5V OUT" at 12.192,50.818 h1.52; Top Overlay "6.5-28V IN" at 9.144,53.104 h1.52